# Altium PCB AUTOMATIC_WATER_PUMPS_V1.PcbDoc
Units mil, origin at the board's own origin, x right, y up, seen from the top; angles counter-clockwise.
Board outline 3110.77 x 1870.61 mil, 2 copper layers (Top Layer, Bottom Layer); 35 components, 30 nets, 118 pads, 0 vias.
Unrouted connection lines stored in the file: 72.
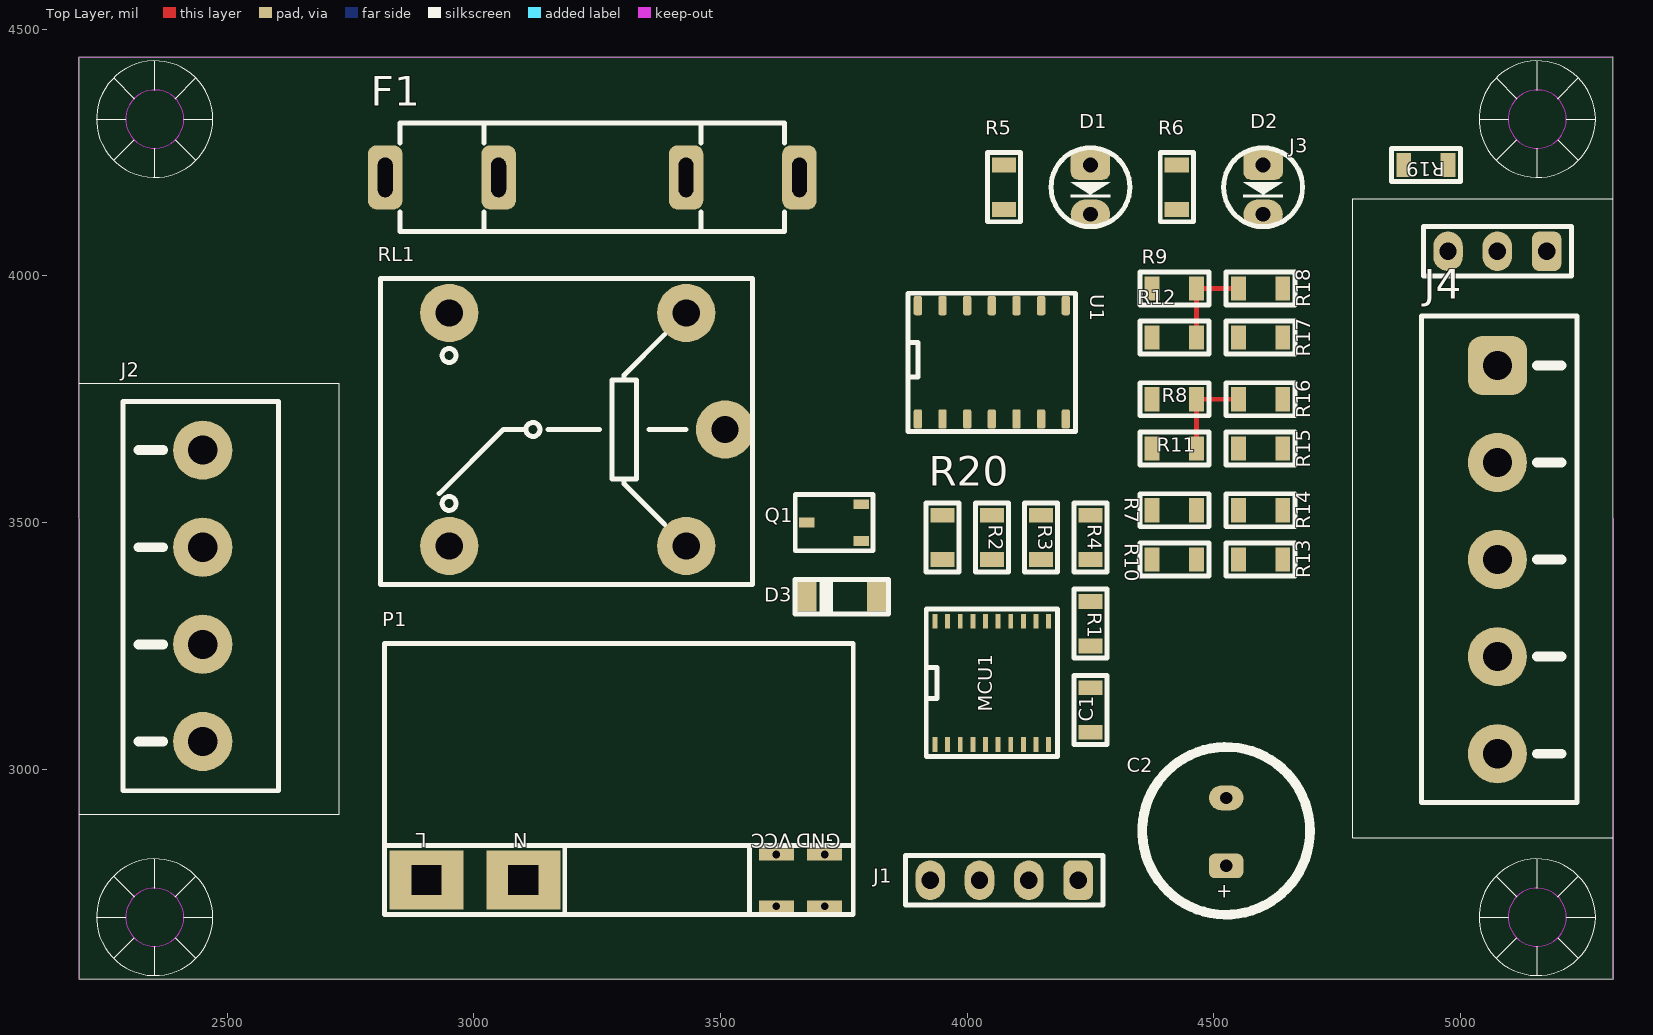
[diagram p0: Top Layer view]
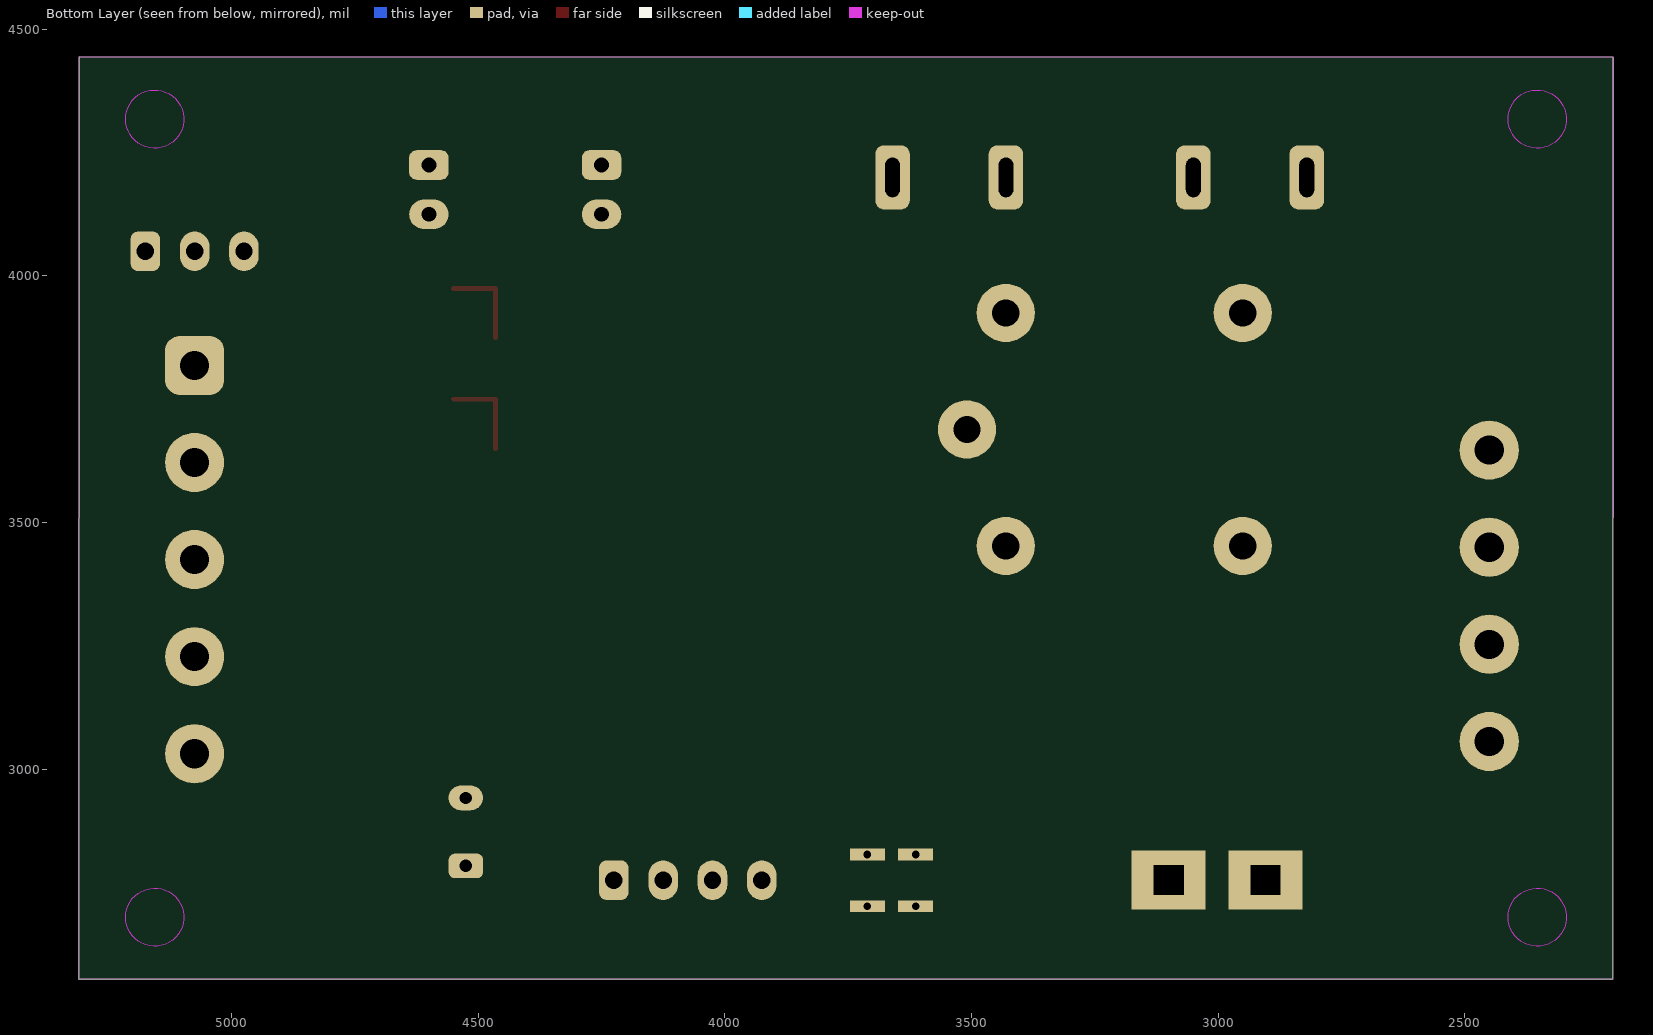
[diagram p1: Bottom Layer view, seen from below]

## Layer stack, top to bottom
Top Solder: solder mask 0.4, Solder Resist, Dk 3.5
Top Layer: signal copper 1.4
Dielectric 1: dielectric 12.6, FR-4, Dk 4.8
Bottom Layer: signal copper 1.4
Bottom Solder: solder mask 0.4, Solder Resist, Dk 3.5

## Board outline
2199.2,2573.63 2198.93,4443.97 5309.43,4444.24 5309.7,2573.89

## Design rules (kind name [scope] priority, off if disabled: settings)
Clearance [All] p1: gap=10 ignorepadtopadclearanceinfootprint=FALSE except(0: Arc-Hole Track-Hole SMDPad-Hole THPad-Hole Via-Hole Fill-Hole Poly-Hole Region-Hole Text-Hole)
PolygonConnect [All] p1: connectstyle=Relief reliefconductorwidth=10 reliefentries=4 polygonreliefangle="90 Angle" airgapwidth=10
RoutingVias [All] p1: holewidth=15 width=25 viastyle="Through Hole" minholewidth=15 minwidth=25 maxholewidth=15 maxwidth=25
SolderMaskExpansion [All] p1: expansion=4 istentingtop=FALSE
Width [All] p1: maxlimit=10 minlimit=10 preferedwidth=10
30 further rules are at their usual default settings.

## Components (designator, comment, footprint, x,y, rotation, side; value= is the part's Value field where it differs from the comment)
C1 "103" C0805 4250,3120 r270 top
C2 "100uF" CAP_RAD_3.5mm 4525,2875 r90 top
D1 "LED" LED_3MM_GREEN 4250,4180 r270 top
D2 "LED" LED_3MM_GREEN 4600,4180 r270 top
D3 "1N4148" SOD-80 3745.87,3350 r180 top
F1 "Fuse 5x20mm" FUSE_5x20MM 3240,4200 r180 top
J1 "SWIM" HEADER-MALE-04PINS-2.54MM 4225,2775 r180 top
J2 "DEGSON Screws" DG127-5.0-04P-14-00AH 2450,3056.3 r90 top
J3 "SOS" HEADER-MALE-03PINS-2.54MM 5175,4050 r180 top
J4 "DEGSON Screws" DG127-5.0-05P-14-00AH 5075,3818.7 r270 top
MCU1 "STM8S003F3P6" TSSOP20_0.65_4.4 4050,3175 r90 top
P1 "MODULE_5V_700mA" MODULE_5V_700mA 2904,2775 r180 top
Q1 "2N3904" SOT23-3 3730.12,3500 r90 top
R1 "330" R0805 4250,3295 r270 top
R2 "10k" R0805 4050,3470 r270 top
R3 "10k" R0805 4150,3470 r270 top
R4 "10k" R0805 4250,3470 r270 top
R5 "330" R0805 4075,4180 r270 top
R6 "330" R0805 4425,4180 r270 top
R7 "10k" R0805 4420,3525 r0 top
R8 "10k" R0805 4420,3750 r0 top
R9 "10k" R0805 4420,3975 r0 top
R10 "10k" R0805 4420,3425 r180 top
R11 "10k" R0805 4420,3650 r180 top
R12 "10k" R0805 4420,3875 r180 top
R13 "10k" R0805 4595,3425 r180 top
R14 "10k" R0805 4595,3525 r180 top
R15 "10k" R0805 4595,3650 r180 top
R16 "10k" R0805 4595,3750 r180 top
R17 "10k" R0805 4595,3875 r180 top
R18 "10k" R0805 4595,3975 r180 top
R19 "10k" R0805 4930,4225 r0 top
R20 "10k" R0805 3950,3470 r90 top
RL1 "RELAY-SONGLE-SRD-05VDC" RELAY-SONGLE-SRD-05VDC_BLUE 3229.7,3688.78 r0 top
U1 "LM324" SOP-14 4050,3825 r90 top

## Footprints (in the part's own frame and the unit in brackets; to place one, negate y for a bottom-side part, rotate by r counter-clockwise, add the part's x,y. Pads: shape width x height; smd on the part's side, far side on the other; paste and mask are expansions set on the pad)
C0805 [mil]
  rect 30x48.82 smd: 1(-45,0) 2(45,0)
  silkscreen extent -70,-33 70,33, body extent -39,-24 39,24, height 39
CAP_RAD_3.5mm [mil]
  rrect50% 50x70 hole 25: 1(-71.06,0)
  oval 50x70 hole 25: 2(66.73,0)
  silkscreen extent -170,-170 170,170, body extent -160,-157 155,157, height 446
DG127-5.0-04P-14-00AH [mil]
  round 120 hole 59.06: 1(0,0) 2(196.85,0) 3(393.7,0) 4(590.55,0)
  silkscreen extent -100,-154 689,161, body extent -98,-154 709,165, height 398
DG127-5.0-05P-14-00AH [mil]
  rrect50% 120x120 hole 59.06: 1(0,0)
  round 120 hole 59.06: 2(196.85,0) 3(393.7,0) 4(590.55,0) 5(787.4,0)
  silkscreen extent -100,-154 886,161, body extent -98,-154 906,165, height 398
FUSE_5x20MM [mil]
  rrect50% 70x130 hole 80 slot 30 at 0 deg: 1(-420,0) 1(-190,0) 2(190,0) 2(420,0)
  silkscreen extent -390,-110 390,110, body extent -425,-114 425,114, height 325
HEADER-MALE-03PINS-2.54MM [mil]
  rrect50% 60x80 hole 35: 1(0,0)
  oval 60x80 hole 35: 2(100,0) 3(200,0)
  silkscreen extent -50,-50 250,50, body extent -50,-50 250,50, height 350
HEADER-MALE-04PINS-2.54MM [mil]
  rrect50% 60x80 hole 35: 1(0,0)
  oval 60x80 hole 35: 2(100,0) 3(200,0) 4(300,0)
  silkscreen extent -50,-50 350,50, body extent -50,-50 350,50, height 350
LED_3MM_GREEN [mil]
  rrect50% 60x80 hole 30: 1(-45,0)
  oval 60x80 hole 30: 2(55,0)
  silkscreen extent -80,-80 80,80, body extent -70,-75 65,75, height 223
MODULE_5V_700mA [mil]
  rect 150x120 hole 60 square: 1(0,0) 2(-196,0)
  rect 70.87x23.62 hole 15.75: 3(-709,-52) 3(-709,53) 4(-807,-52) 4(-807,53)
  silkscreen extent -865,-480 85,70
R0805 [mil]
  rect 30x48.82 smd: 1(-45,0) 2(45,0)
  silkscreen extent -70,-33 70,33, body extent -39,-25 40,25, height 18
RELAY-SONGLE-SRD-05VDC_BLUE [mm]
  round 3 hole 1.397: 1(5.096,-6) 2(7.096,0) 3(5.096,6) 4(-7.104,6) 5(-7.104,-6)
  silkscreen extent -10.65,-7.97 8.52,7.77, body extent -10.62,-7.85 8.58,7.75, height 15.9
SOD-80 [mil]
  rect 40x60 smd: 1(-70.87,0) 2(70.87,0)
  silkscreen extent -95,-35 95,37, body extent -69,-30 69,29, height 58
SOP-14 [mm]
  rrect50% 1x0.43 smd: 1(-2.921,3.81) 2(-2.921,2.54) 3(-2.921,1.27) 4(-2.921,0) 5(-2.921,-1.27) 6(-2.921,-2.54) 7(-2.921,-3.81) 8(2.921,-3.81) 9(2.921,-2.54) 10(2.921,-1.27) 11(2.921,0) 12(2.921,1.27) 13(2.921,2.54) 14(2.921,3.81)
  silkscreen extent -3.56,-4.32 3.56,4.32, body extent -3,-4.28 3,4.28, height 1.8
SOT23-3 [mm]
  rect 0.5x0.8 smd: 1(-0.95,-1.4) 2(0.95,-1.4) 3(0,1.4)
  silkscreen extent -1.45,-2 1.45,2, body extent -1.45,-1.4 1.45,1.4, height 1.3
TSSOP20_0.65_4.4 [mil]
  rect 30x10 smd: 1(-125,115.16) 2(-125,89.57) 3(-125,63.98) 4(-125,38.39) 5(-125,12.8) 6(-125,-12.8) 7(-125,-38.39) 8(-125,-63.98) 9(-125,-89.57) 10(-125,-115.16) 11(125,-115.16) 12(125,-89.57) 13(125,-63.98) 14(125,-38.39) 15(125,-12.8) 16(125,12.8) 17(125,38.39) 18(125,63.98) 19(125,89.57) 20(125,115.16)
  silkscreen extent -150,-133 150,133, body extent -124,-128 124,128, height 43

## Part data
C1: library part C0805
C2: library part Capacitor(Radian)
D1 D2: library part "LED 3MM"
D3: library part Diode-1N4148
F1: library part Fuse-5x20mm
J1: library part HEADER-MALE-04PINS-2.54MM
J2: library part DG127-5.0-04P-14-00AH
J3: library part HEADER-MALE-03PINS-2.54MM
J4: library part DG127-5.0-05P-14-00AH
P1: library part SMPS_5V_700mA
R1 R5 R6 R7 R8 R9 R10 R11 R12 R13 R14 R15 R16 R17 R18: library part "Resistor SMD"
R2 R3 R4 R19 R20: library part Resistors-SMD
U1: "Quad-Operational Amp"

## Nets (pads, with @x,y where several pads share a name; then routed paths per layer and width w, separated by ;. In a path a pad name is that pad's centre, name@x,y a point inside that pad or via, vN(x,y) a via of type N, cw(c..) or ccw(c..) an arc to the next point about the centre after c; other vN are vias at no path point)
ERROR: MCU1.17 R6.2
GND: C1.1 C2.2 D1.2 D2.2 D3.1 J1.4 J3.1 MCU1.7 P1.4 Q1.2 R13.1 R14.1 R15.1 R16.1 R17.1 R18.1 U1.11
IN1: R4.2 R8.1 U1.7
IN2: R3.2 R7.1 U1.1
IN3: R2.2 R9.1 U1.8
LEVEL_H: J4.4 R15.2 U1.6
LEVEL_L: J4.5 R13.2 U1.2
NetC1_2: C1.2 MCU1.8
NetD1_1: D1.1 R5.1
NetD2_1: D2.1 R6.1
NetD3_2: D3.2 Q1.3 RL1.1
NetF1_1: F1.1 P1.1 RL1.4
NetF1_2: F1.2 J2.4
NetJ2_1: J2.1 J2.3 P1.2
NetJ2_2: J2.2 RL1.2
NetMCU1_11: MCU1.11 R4.1
NetMCU1_12: MCU1.12 R3.1
NetMCU1_13: MCU1.13 R2.1
NetMCU1_14: MCU1.14 R20.1
NetMCU1_15: MCU1.15 R19.1
NetR7_2: R7.2 R10.1 R14.2 U1.3
NetR8_2: R8.2 R11.1 R16.2 U1.5 | length 185
  Top Layer w10: R11.1 R8.2 R16.2
NetR9_2: R9.2 R12.1 R18.2 U1.10 | length 185
  Top Layer w10: R12.1 R9.2 R18.2
PUMPS: Q1.1 R20.2
PUMPS_STATUS: J4.1 R17.2 U1.9
RESET: J1.3 MCU1.4 R1.1
RUNING: MCU1.16 R5.2
SOS: J3.2 R19.2
SWIM: J1.2 MCU1.18
VCC: C2.1 J1.1 J3.3 J4.2 J4.3 MCU1.9 P1.3 R1.2 R10.2 R11.2 R12.2 RL1.3 U1.4
pads on no net: MCU1.1 MCU1.2 MCU1.3 MCU1.5 MCU1.6 MCU1.10 MCU1.19 MCU1.20 RL1.5 U1.12 U1.13 U1.14

## Keep-outs
Keep-Out Layer:
  circle w0.5: c2352.74,4317.99 r59.06
  circle w0.5: c5155.89,2699.88 r59.06
  circle w0.5: c2352.74,2699.88 r59.06
  circle w0.5: c5155.89,4317.99 r59.06
  lines w0.5: 2199.2,2908.54 2199.2,3508.93 ; 2199.2,2573.89 2199.2,4443.97 5309.43,4443.97 5309.43,2573.89 2199.2,2573.89

## Silkscreen, mask and mechanical layers (free items; w line width, h text height)
Top Overlay:
  circle w0.5: c2352.74,2699.88 r118.11
  circle w0.5: c5155.89,2699.88 r118.11
  circle w0.5: c5155.89,4317.99 r118.11
  circle w0.5: c2352.74,4317.99 r118.11
  lines w0.5: 2199.2,2908.54 2726.75,2908.54 2726.75,3782.55 2199.2,3782.55 ; 2234.63,2699.88 2293.68,2699.88 ; 2234.63,4317.99 2293.68,4317.99 ; 2269.22,2616.36 2310.98,2658.12 ; 2269.22,2783.39 2310.98,2741.64 ; 2269.22,4234.47 2310.98,4276.23 ; 2269.22,4401.5 2310.98,4359.75 ; 2352.74,2581.77 2352.74,2640.82 ; 2352.74,2758.93 2352.74,2817.99 ; 2352.74,4199.88 2352.74,4258.93 ; 2352.74,4377.04 2352.74,4436.1 ; 2394.5,2658.12 2436.25,2616.36 ; 2394.5,2741.64 2436.25,2783.39 ; 2394.5,4276.23 2436.25,4234.47 ; 2394.5,4359.75 2436.25,4401.5 ; 2411.79,2699.88 2470.85,2699.88 ; 2411.79,4317.99 2470.85,4317.99 ; 5037.78,2699.88 5096.83,2699.88 ; 5037.78,4317.99 5096.83,4317.99 ; 5072.37,2616.36 5114.13,2658.12 ; 5072.37,2783.39 5114.13,2741.64 ; 5072.37,4234.47 5114.13,4276.23 ; 5072.37,4401.5 5114.13,4359.75 ; 5155.89,2581.77 5155.89,2640.82 ; 5155.89,2758.93 5155.89,2817.99 ; 5155.89,4199.88 5155.89,4258.93 ; 5155.89,4377.04 5155.89,4436.1 ; 5197.65,2658.12 5239.4,2616.36 ; 5197.65,2741.64 5239.4,2783.39 ; 5197.65,4276.23 5239.4,4234.47 ; 5197.65,4359.75 5239.4,4401.5 ; 5214.94,2699.88 5274,2699.88 ; 5214.94,4317.99 5274,4317.99 ; 5309.43,2861.29 4781.87,2861.29 4781.87,3508.93 4781.87,4156.57 5309.43,4156.57

## Text inside footprints (layer, text, board x,y; h text height)
C2: Top Overlay "+" at 4505,2774.62 h50 r180
P1: Top Overlay "N" at 3109,2880 h50 r180; Top Overlay "L" at 2904,2880 h50 r180; Top Overlay "GND" at 3744,2879.4 h50 r180; Top Overlay "VCC" at 3644,2879.45 h50 r180